# Altium PCB HSBNE-MOTOR.PcbDoc (part 1 of 2)
Units mm, origin at the board's own origin, x right, y up, seen from the top; angles counter-clockwise.
Board outline 150.03 x 100.03 mm, 2 copper layers (Top Layer, Bottom Layer); 140 components, 154 nets, 645 pads, 732 vias.
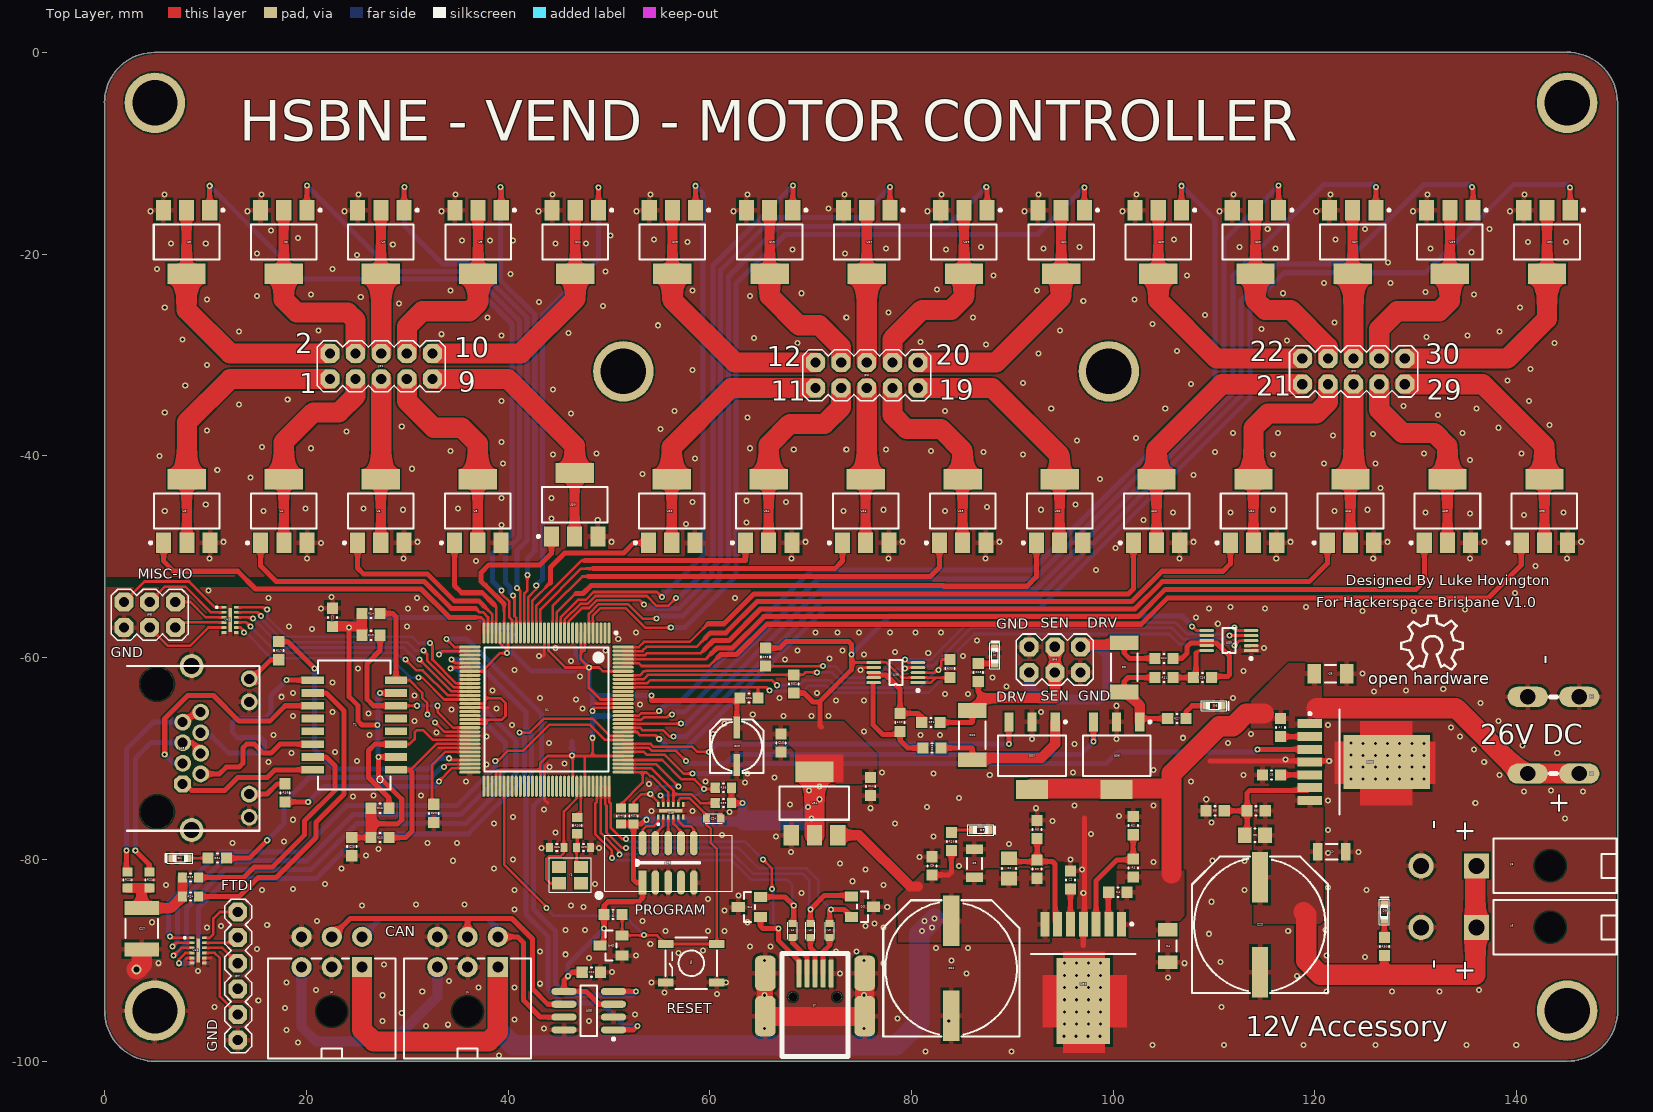
[diagram p0: Top Layer view]
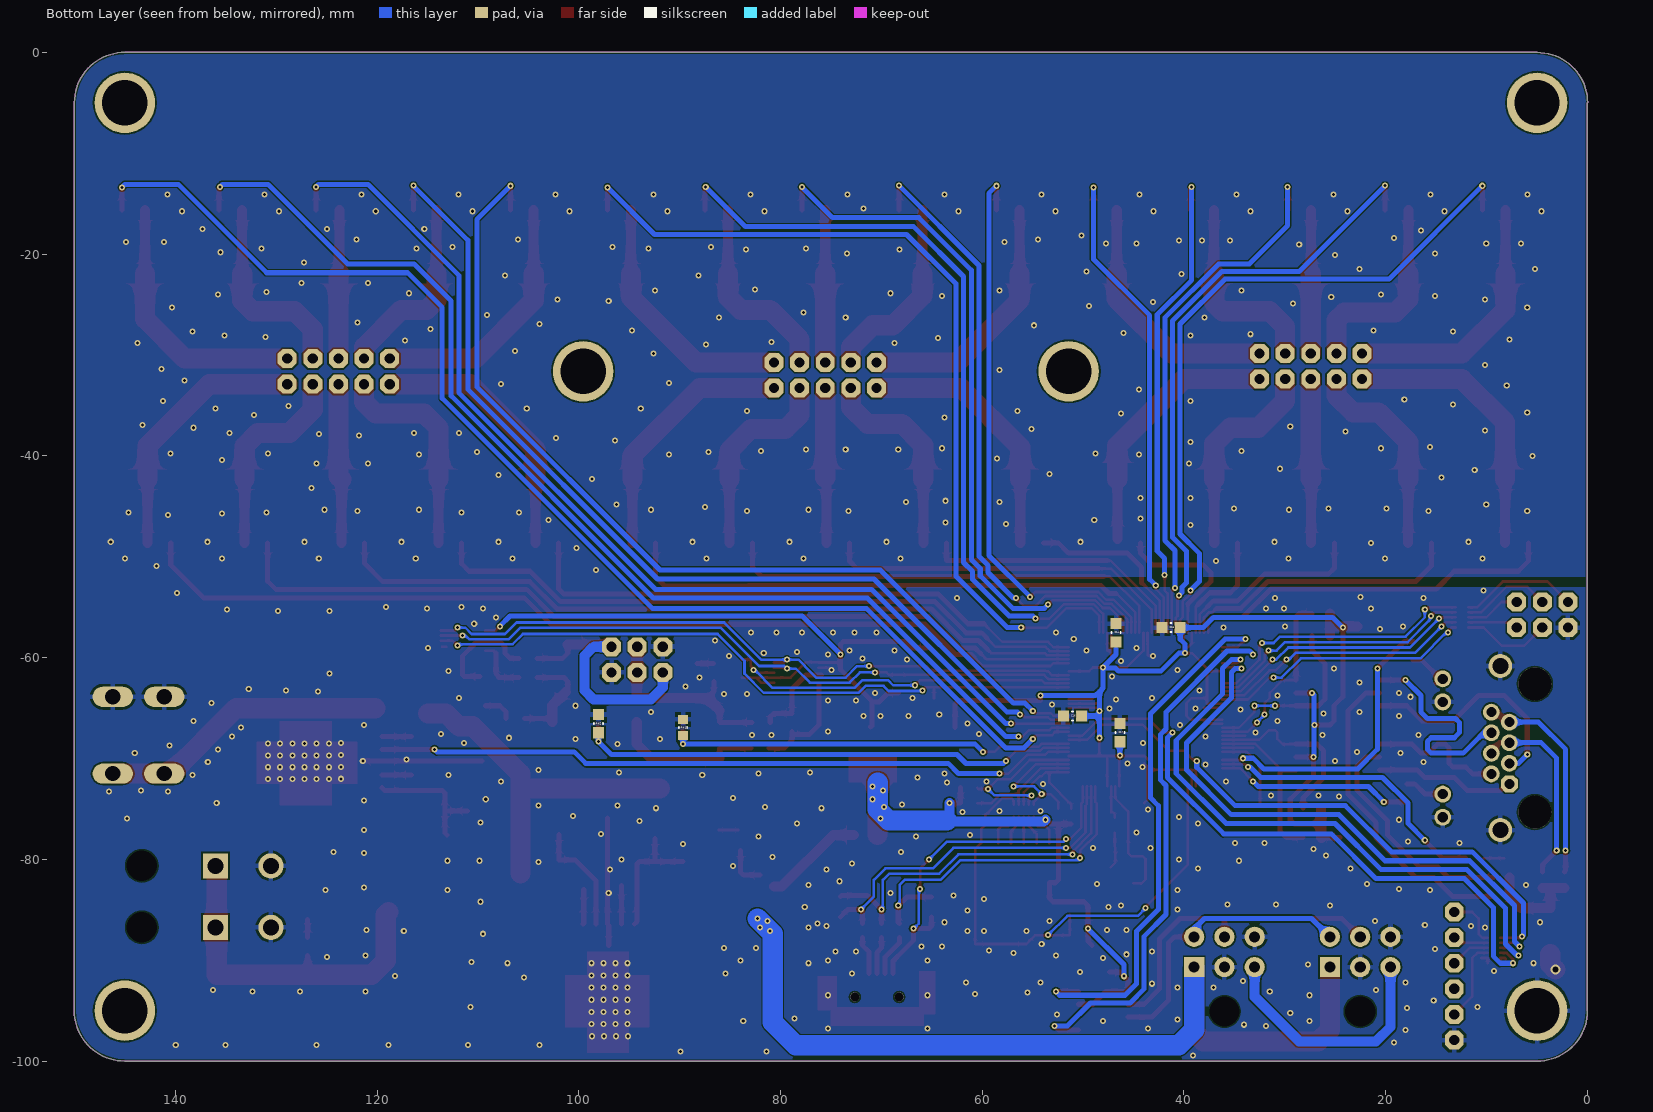
[diagram p1: Bottom Layer view, seen from below]

## Layer stack, top to bottom
Top Solder: solder mask 0.0102, Solder Resist, Dk 3.5
Top Layer: signal copper 0.0356
Dielectric 1: dielectric 0.32, FR-4, Dk 4.8
Bottom Layer: signal copper 0.0356
Bottom Solder: solder mask 0.0102, Solder Resist, Dk 3.5

## Board outline
5.004,-100.013 cw(c5.004,-95.013) 0.004,-95.013 0,-95 0,-5 -0.013,-5.004 cw(c4.987,-5.004) 4.987,-0.004 5,0 145,0 144.996,0.013 cw(c144.996,-4.987) 149.996,-4.987 150,-5 150,-95 150.013,-94.996 cw(c145.013,-94.996) 145.013,-99.996 145,-100

## Design rules (kind name [scope] priority, off if disabled: settings)
Clearance Micro [InComponent('U1') vs InNetClass('All Nets')] p1: gap=0.15 except(0.1: Track-Track Track-SMDPad Track-THPad SMDPad-SMDPad SMDPad-THPad)
Clearance [All] p2: gap=0.15
DiffPairsRouting [All] p1: maxlimit=0.254 minlimit=0.254 mostfreqgap=0.254 toplayer_minwidth=0.254 toplayer_maxwidth=0.5 toplayer_prefwidth=0.381 bottomlayer_minwidth=0.254 bottomlayer_maxwidth=0.5 bottomlayer_prefwidth=0.381 maxuncoupledlength=12.7
HoleSize [All] p1: absolutevalues=TRUE maxlimit=4.5 minlimit=0.025 maxpercent=80.000 minpercent=20.000
MinimumSolderMaskSliver [All] p1: minsoldermaskwidth=0.2
PlaneClearance [All] p1: clearance=2
PlaneConnect [All] p1: planeconnectstyle=Relief reliefexpansion=0.508 reliefentries=4 reliefconductorwidth=0.5 reliefairgap=0.254
PolygonConnect via [All vs isvia] p1: connectstyle=Direct reliefconductorwidth=0.254 reliefentries=4 polygonreliefangle="90 Angle" airgapwidth=0.254
PolygonConnect [All] p2: connectstyle=Relief reliefconductorwidth=0.5 reliefentries=4 polygonreliefangle="90 Angle" airgapwidth=0.254
RoutingVias [All] p1: holewidth=0.5 width=1 viastyle="Through Hole" minholewidth=0.3 minwidth=0.6 maxholewidth=0.711 maxwidth=1.27
SilkToSolderMaskClearance [IsPad] p1: minsilkscreentomaskgap=0.127 clearancetoexposedcopper=TRUE
SolderMaskExpansion [All] p1: expansion=0.102
Width [All] p1: maxlimit=2 minlimit=0.254 preferedwidth=0.254
24 further rules are at their usual default settings.

## Classes and differential pairs
component class Sense: C18 C19 D6 D7 JP4 R9 R10 R11 R12 R26 R27 R28 R31 R32 R33 R35 R36 R41 R42 U36 U37 U38 U39
component class IO: C12 D3 D4 J1 J2 J7 JP6 JP7 JP8 L1 L2 L3 R37 R38 R39 R40 U35 U40 U41 U42
component class Crystal: C20 C21 C24 C25 C26 C27 D1 JP5 R13 R14 R15 R16 R17 R18 R19 R20 R21 R22 R23 R24 R25 R34 S1 T1 U43 Y1
component class Micro: U1
component class MotorDrive: JP1 JP2 JP3 U2 U3 U4 U5 U6 U7 U8 U9 U10 U11 U12 U13 U14 U15 U16 U17 U18 U19 U20 U21 U22 U23 U24 U25 U26 U27 U28 U29 U30 U31
component class Power: C1 C2 C3 C4 C5 C6 C7 C8 C9 C10 C11 C13 C14 C15 C16 C17 C22 C23 D8 D9 J3 J4 J5 J6 R1 R2 R3 R4 R5 R6 R7 R8 R29 R30 U32 U33 U34
differential pair USB: +USB_P -USB_N
differential pair TX: +TX_P -TX_N
differential pair EP_TX: +EP_TX_P -EP_TX_N
differential pair EP_RX: +EP_RX_P -EP_RX_N
differential pair RX: +RX_P -RX_N

## Components (designator, comment, footprint, x,y, rotation, side; value= is the part's Value field where it differs from the comment)
C1 "CAP 22nF 25V" CAPC0805(2012)100_M 89.662,-80.899 r270 top
C2 "CAP 4.7nF 50V" CAPC0603(1608)100_M 95.758,-82.042 r270 top
C3 "CAP 47uF 25V" CAPC1206(3216)100_L 86.233,-80.391 r90 top
C4 "CAP 10uF 50V" CAPC1206(3216)190_M 105.41,-88.595 r270 top
C5 "CAP 22nF 25V" CAPC0805(2012)100_M 114.046,-77.597 r0 top
C6 "CAP 4.7nF 50V" CAPC0603(1608)100_M 115.697,-71.628 r0 top
C7 "CAP 47uF 25V" CAPC1206(3216)100_L 121.666,-79.248 r0 top
C8 "CAP 10uF 50V" CAPC1206(3216)190_M 121.539,-61.595 r0 top
C9 "CAP 1uF 25V" CAPC0603(1608)100_M 82.042,-80.645 r270 top
C10 "CAP 1uF 25V" CAPC0603(1608)100_M 67.056,-68.453 r90 top
C11 "CAP 1uF 25V" CAPC0603(1608)100_M 75.946,-72.771 r90 top
C12 "CAP 100nF 50V" CAPC0603(1608)100_M 48.26,-91.186 r180 top
C13 "100uF" PANASONIC_C 62.484,-68.834 r90 top
C14 "CAP 100nF 50V" CAPC0603(1608)100_M 46.736,-57.531 r270 bottom
C15 "CAP 100nF 50V" CAPC0603(1608)100_M 41.275,-57.023 r180 bottom
C16 "CAP 100nF 50V" CAPC0603(1608)100_M 51.054,-65.786 r180 bottom
C17 "CAP 100nF 50V" CAPC0603(1608)100_M 46.355,-67.437 r270 bottom
C18 "CAP 1uF 25V" CAPC0603(1608)100_M 108.839,-61.976 r180 top
C19 "CAP 1uF 25V" CAPC0603(1608)100_M 78.867,-66.421 r270 top
C20 "CAP 100nF 50V" CAPC0603(1608)100_M 24.511,-78.74 r90 top
C21 "CAP 100nF 50V" CAPC0603(1608)100_M 22.606,-56.007 r270 top
C22 "1000uF" PANASONIC_H13 83.947,-90.805 r90 top
C23 "1000uF" PANASONIC_H13 114.554,-86.487 r90 top
C24 "DNP" 0603 61.087,-75.946 r180 top
C25 "CAP 12pF 16V" CAPC0603(1608)100_L 47.498,-78.816 r180 top
C26 "CAP 12pF 16V" CAPC0603(1608)100_L 44.831,-78.816 r0 top
C27 "CAP 1nF 2KV 1812(4532)" CAPC1812(4532)230_N 3.683,-86.868 r270 top
D1 "LED" LED-0603 7.493,-79.883 r180 top
D3 "GSOT12C" "SOT-23 - ESD" 74.041,-83.693 r270 top
D4 "GSOT12C" "SOT-23 - ESD" 65.024,-85.725 r90 top
D6 "LED" LED-0603 109.982,-64.77 r0 top
D7 "LED" LED-0603 88.265,-59.817 r90 top
D8 "LED" LED-0603 86.868,-77.089 r0 top
D9 "LED" LED-0603 126.873,-85.217 r90 top
J1 "M43045H-6" M43045H-6 38.989,-90.678 r0 top
J2 "M43045H-6" M43045H-6 25.527,-90.678 r0 top
J3 "SPADE" SPADE-6.35-RA 141.097,-71.501 r0 top
J4 "SPADE" SPADE-6.35-RA 141.097,-63.881 r0 top
J5 "AUX" M5569-2 136.017,-86.741 r90 top
J6 "AUX" M5569-2 136.017,-80.645 r90 top
J7 "67503-1020" MOLX-67503-1020_V 68.834,-91.313 r90 top
JP1 "Header 5x2 2.54mm" 2X5 27.432,-31.115 r0 top
JP2 "Header 5x2 2.54mm" 2X5 75.565,-32.004 r0 top
JP3 "Header 5x2 2.54mm" 2X5 123.825,-31.623 r0 top
JP4 "Header 3x2 2.54mm" 2X3 94.234,-60.198 r0 top
JP5 "RJHSE-5384" RJHSE-5484 5.207,-68.961 r270 top
JP6 "Header 5x2 1.27mm" SOP10 53.34,-82.296 r90 top
JP7 "FTDI Header" 1X6 14.478,-89.027 r270 top
JP8 "Header 3x2 2.54mm" 2X3 4.445,-55.753 r180 top
L1 "MPZ1608S102A" 0603 68.199,-86.36 r270 top
L2 "MPZ1608S102A" 0603 69.977,-86.36 r270 top
L3 "MPZ1608S102A" 0603 71.882,-86.36 r270 top
R1 "34K 1%" RESC0603(1608)_M 101.981,-80.848 r270 top
R2 "2K43 5%" RESC0603(1608)_M 101.981,-76.657 r270 top
R3 "34K 1%" RESC0603(1608)_M 92.456,-80.975 r270 top
R4 "249K 1%" RESC0603(1608)_M 100.457,-83.261 r180 top
R5 "2K43 5%" RESC0603(1608)_M 92.456,-77.038 r270 top
R6 "34K 1%" RESC0603(1608)_M 114.173,-75.184 r0 top
R7 "249K 1%" RESC0603(1608)_M 116.586,-66.929 r270 top
R8 "2K43 5%" RESC0603(1608)_M 110.109,-75.184 r0 top
R9 "0.1R 1%" RESC2010(5025)_M 101.092,-60.96 r90 top
R10 "0.1R 1%" RESC2010(5025)_M 86.028,-67.691 r90 top
R11 "10R 5%" RESC0603(1608)_M 105.029,-61.976 r0 top
R12 "10R 5%" RESC0603(1608)_M 105.029,-60.071 r0 top
R13 "49.9R 1%" RESC0603(1608)_M 27.305,-77.851 r180 top
R14 "49.9R 1%" RESC0603(1608)_M 26.416,-55.626 r180 top
R15 "49.9R 1%" RESC0603(1608)_M 26.416,-57.785 r180 top
R16 "49.9R 1%" RESC0603(1608)_M 27.305,-74.93 r180 top
R17 "220R 5%" RESC0603(1608)_M 17.272,-59.309 r90 top
R18 "220R 5%" RESC0603(1608)_M 17.907,-73.406 r270 top
R19 "2K43 5%" RESC0603(1608)_M 50.419,-85.471 r180 top
R20 "2K 5%" RESC0603(1608)_N 46.863,-76.657 r270 top
R21 "75R 1%" RESC0603(1608)_N 4.445,-82.042 r270 top
R22 "75R 1%" RESC0603(1608)_N 2.286,-82.042 r270 top
R23 "75R 1%" RESC0603(1608)_N 8.509,-81.788 r180 top
R24 "75R 1%" RESC0603(1608)_N 8.509,-83.693 r180 top
R25 "4K87 1%" RESC0603(1608)_M 32.639,-75.438 r90 top
R26 "10R 5%" RESC0603(1608)_M 82.042,-68.961 r180 top
R27 "1K5 5%" RESC0603(1608)_M 106.299,-66.04 r180 top
R28 "1K5 5%" RESC0603(1608)_M 86.614,-61.468 r270 top
R29 "560R 5%" RESC0603(1608)_M 83.947,-78.232 r270 top
R30 "560R 5%" RESC0603(1608)_M 126.873,-88.646 r270 top
R31 "10R 5%" RESC0603(1608)_M 81.915,-66.421 r180 top
R32 "2K43 5%" RESC0603(1608)_M 68.326,-62.611 r270 top
R33 "2K43 5%" RESC0603(1608)_M 65.532,-59.944 r90 top
R34 "220R 5%" RESC0603(1608)_M 11.176,-79.883 r0 top
R35 "2K43 5%" RESC0603(1608)_M 83.82,-61.087 r270 top
R36 "2K43 5%" RESC0603(1608)_M 63.881,-64.008 r180 top
R37 "10K 5%" RESC0603(1608)_N 52.451,-75.692 r270 top
R38 "10K 5%" RESC0603(1608)_N 61.341,-72.898 r0 top
R39 "10K 5%" RESC0603(1608)_N 61.341,-74.422 r180 top
R40 "10K 5%" RESC0603(1608)_N 51.181,-75.692 r90 top
R41 "10K 5%" RESC0603(1608)_N 89.662,-66.929 r270 bottom
R42 "10K 5%" RESC0603(1608)_M 98.044,-66.548 r270 bottom
S1 "EVQ-Q2B03W" TACTILE_SWITCH_SMD 58.166,-90.297 r180 top
T1 "H2019FNLT" HXXXX 24.765,-66.675 r90 top
U1 "TM4C1294NCPDTI3R" TI-PDT128_M 43.815,-65.151 r270 top
U2 "NCV8402ASTT1G" ONSC-SOT-223-4-318E-04_V 8.161,-45.466 r90 top
U3 "NCV8402ASTT1G" ONSC-SOT-223-4-318E-04_V 8.128,-18.796 r270 top
U4 "NCV8402ASTT1G" ONSC-SOT-223-4-318E-04_V 17.774,-45.466 r90 top
U5 "NCV8402ASTT1G" ONSC-SOT-223-4-318E-04_V 17.762,-18.796 r270 top
U6 "NCV8402ASTT1G" ONSC-SOT-223-4-318E-04_V 27.388,-45.466 r90 top
U7 "NCV8402ASTT1G" ONSC-SOT-223-4-318E-04_V 27.396,-18.796 r270 top
U8 "NCV8402ASTT1G" ONSC-SOT-223-4-318E-04_V 37.001,-45.466 r90 top
U9 "NCV8402ASTT1G" ONSC-SOT-223-4-318E-04_V 37.03,-18.796 r270 top
U10 "NCV8402ASTT1G" ONSC-SOT-223-4-318E-04_V 46.609,-44.831 r90 top
U11 "NCV8402ASTT1G" ONSC-SOT-223-4-318E-04_V 46.663,-18.796 r270 top
U12 "NCV8402ASTT1G" ONSC-SOT-223-4-318E-04_V 56.228,-45.466 r90 top
U13 "NCV8402ASTT1G" ONSC-SOT-223-4-318E-04_V 56.297,-18.796 r270 top
U14 "NCV8402ASTT1G" ONSC-SOT-223-4-318E-04_V 65.841,-45.466 r90 top
U15 "NCV8402ASTT1G" ONSC-SOT-223-4-318E-04_V 65.931,-18.796 r270 top
U16 "NCV8402ASTT1G" ONSC-SOT-223-4-318E-04_V 75.454,-45.466 r90 top
U17 "NCV8402ASTT1G" ONSC-SOT-223-4-318E-04_V 75.565,-18.796 r270 top
U18 "NCV8402ASTT1G" ONSC-SOT-223-4-318E-04_V 85.068,-45.466 r90 top
U19 "NCV8402ASTT1G" ONSC-SOT-223-4-318E-04_V 85.199,-18.796 r270 top
U20 "NCV8402ASTT1G" ONSC-SOT-223-4-318E-04_V 94.681,-45.466 r90 top
U21 "NCV8402ASTT1G" ONSC-SOT-223-4-318E-04_V 94.833,-18.796 r270 top
U22 "NCV8402ASTT1G" ONSC-SOT-223-4-318E-04_V 104.295,-45.466 r90 top
U23 "NCV8402ASTT1G" ONSC-SOT-223-4-318E-04_V 104.467,-18.796 r270 top
U24 "NCV8402ASTT1G" ONSC-SOT-223-4-318E-04_V 113.908,-45.466 r90 top
U25 "NCV8402ASTT1G" ONSC-SOT-223-4-318E-04_V 114.1,-18.796 r270 top
U26 "NCV8402ASTT1G" ONSC-SOT-223-4-318E-04_V 123.521,-45.466 r90 top
U27 "NCV8402ASTT1G" ONSC-SOT-223-4-318E-04_V 123.734,-18.796 r270 top
U28 "NCV8402ASTT1G" ONSC-SOT-223-4-318E-04_V 133.135,-45.466 r90 top
U29 "NCV8402ASTT1G" ONSC-SOT-223-4-318E-04_V 133.368,-18.796 r270 top
U30 "NCV8402ASTT1G" ONSC-SOT-223-4-318E-04_V 142.748,-45.466 r90 top
U31 "NCV8402ASTT1G" ONSC-SOT-223-4-318E-04_V 143.002,-18.796 r270 top
U32 "LMZ14203HTZ/NOPB" TZA07A_V 97.028,-91.77 r270 top
U33 "LMZ14203HTZ/NOPB" TZA07A_V 124.841,-70.358 r0 top
U34 "3V3LinReg" SOT-223 68.072,-77.597 r0 top
U35 "SN65HVD234D" D8_M 48.006,-94.996 r180 top
U36 "ITS4200S-ME-O" INF-SOT223_M 100.33,-69.723 r270 top
U37 "ITS4200S-ME-O" INF-SOT223_M 91.948,-69.723 r270 top
U38 "ina226" SP10 80.645,-62.484 r180 top
U39 "ina226" SP10 113.665,-59.309 r180 top
U40 "NUF6401MNT1G" ONSC-DFN-12-506AD-01_V 56.134,-75.184 r90 top
U41 "NUF6401MNT1G" ONSC-DFN-12-506AD-01_V 9.271,-89.027 r0 top
U42 "NUF6401MNT1G" ONSC-DFN-12-506AD-01_V 12.446,-56.261 r0 top
U43 "APX803" "SOT-23 - ESD" 51.308,-89.535 r90 top
Y1 "25MHz" "CRYSTAL 3.2X2.5" 48.26,-79.832 r180 top

## Footprints (in the part's own frame and the unit in brackets; to place one, negate y for a bottom-side part, rotate by r counter-clockwise, add the part's x,y. Pads: shape width x height; smd on the part's side, far side on the other; paste and mask are expansions set on the pad)
1X6 [mil]
  oct 74x74 hole 40: 1(-150,-50) 2(-50,-50) 3(50,-50) 4(150,-50) 5(250,-50) 6(350,-50)
  silkscreen extent -200,-101 400,4, body extent -200,-100 400,0, height 298
2X3 [mil]
  oct 74x74 hole 40: 1(-101.18,-50) 2(-101.18,50) 3(-1.18,-50) 4(-1.18,50) 5(98.82,-50) 6(98.82,50)
  silkscreen extent -151,-100 149,100, body extent -150,-100 150,100, height 330
2X5 [mil]
  oct 74x74 hole 40: 1(-200,-50) 2(-200,50) 3(-100,-50) 4(-100,50) 5(0,-50) 6(0,50) 7(100,-50) 8(100,50) 9(200,-50) 10(200,50)
  silkscreen extent -250,-100 250,100, body extent -242,-95 242,95, height 397
0603 [mm]
  rect 0.7x0.8 smd paste+0 mask+0.1: 1(0,0) 2(1.4,0)
  silkscreen extent -0.15,-0.45 1.55,0.45, body extent -0.15,-0.45 1.55,0.45, height 0.53
CAPC0603(1608)100_L [mm] "Chip Capacitor, Body 1.6x0.8mm, Height 1.0mm, IPC High Density"
  rect 0.7x0.9 smd: 1(-0.7,0) 2(0.7,0)
  silkscreen extent -0.05,-0.35 0.05,0.35, body extent -0.87,-0.47 0.88,0.48, height 1
CAPC0603(1608)100_M [mm] "Chip Capacitor, Body 1.6x0.8mm, Height 1.0mm, IPC Low Density"
  rect 1.1x1.1 smd: 1(-0.9,0) 2(0.9,0)
  silkscreen extent -0.05,-0.45 0.05,0.45, body extent -0.87,-0.47 0.88,0.48, height 1
CAPC0805(2012)100_M [mm] "Chip Capacitor, Body 2.0x1.2mm, Height 1.0mm, IPC Low Density"
  rect 1.35x1.55 smd: 1(-1,0) 2(1,0)
  silkscreen extent -0.05,-0.67 0.05,0.67, body extent -1.1,-0.72 1.1,0.72, height 1
CAPC1206(3216)100_L [mm] "Chip Capacitor, Body 3.2x1.6mm, Height 1mm, IPC High Density"
  rect 0.95x1.7 smd: 1(-1.4,0) 2(1.4,0)
  silkscreen extent -0.55,-0.75 0.55,0.75, body extent -1.7,-0.9 1.7,0.9, height 1
CAPC1206(3216)190_M [mm] "Chip Capacitor, Body 3.2x1.6mm, Height 1.9mm, IPC Low Density"
  rect 1.35x1.9 smd: 1(-1.6,0) 2(1.6,0)
  silkscreen extent -0.55,-0.85 0.55,0.85, body extent -1.7,-0.9 1.7,0.9, height 1.9
CAPC1812(4532)230_N [mm] "Chip Capacitor, Body 4.5x3.2mm, Height 2.3mm, IPC Medium Density"
  rect 1.4x3.4 smd: 1(-2.05,0) 2(2.05,0)
  silkscreen extent -0.95,-1.6 0.95,1.6, body extent -2.4,-1.7 2.4,1.7, height 2.3
"CRYSTAL 3.2X2.5" [mm]
  rect 1.4x1.2 smd: 1(1.016,0.94) 2(3.216,0.94) 3(3.216,2.54) 4(1.016,2.54)
  silkscreen extent 0,0 4.19,3.43, body extent 0.77,0.78 3.29,2.78, height 0.56
D8_M [mm] "SOIC, 8-Leads, Body 4.9x3.9mm, Pitch 1.27mm, IPC Low Density"
  oval 2.5x0.7 smd: 1(-2.45,1.905) 2(-2.45,0.635) 3(-2.45,-0.635) 4(-2.45,-1.905) 5(2.45,-1.905) 6(2.45,-0.635) 7(2.45,0.635) 8(2.45,1.905)
  silkscreen extent -2.58,-2.5 0.8,2.93, body extent -2,-2.5 2,2.5, height 1.75
HXXXX [mm]
  rect 0.76x2.2 smd: 1(-4.445,-4.128) 2(-3.175,-4.128) 3(-1.905,-4.128) 4(-0.635,-4.128) 5(0.635,-4.128) 6(1.905,-4.128) 7(3.175,-4.128) 8(4.445,-4.128) 9(4.445,4.127) 10(3.175,4.127) 11(1.905,4.127) 12(0.635,4.127) 13(-0.635,4.127) 14(-1.905,4.127) 15(-3.175,4.127) 16(-4.445,4.127)
  silkscreen extent -6.4,-3.6 6.4,3.6, body extent -6.38,-4.28 6.38,4.13, height 6
INF-SOT223_M [mm] "SOT223, 4-Leads, Body 6.5x3.5mm, Pitch 2.3mm, IPC Low Density"
  rect 1.9x0.9 smd: 1(-3.35,2.3) 2(-3.35,0) 3(-3.35,-2.3)
  rect 1.9x3.2 smd: 4(3.35,0)
  silkscreen extent -3.47,-3.35 2,3.43, body extent -1.85,-3.35 1.85,3.35, height 1.7
LED-0603 [mil]
  rect 30x30 smd: 1(-30,0) 2(30,0)
  Top Overlay keep-out lines w2: 50,20 50,-20 -50,-20 -50,20 50,20
  silkscreen extent -50,-20 56,20, body extent -33,-14 32,14, height 27
M5569-2 [mm]
  rect 2.5x2.5 hole 1.6: 1(0,0)
  round 2.5 hole 1.6: 2(0,5.5)
  round 0 hole 3 unplated: A(0,-7.3)
  silkscreen extent -2.7,-13.9 2.7,-1.7, body extent -2.72,-13.91 3.08,6.03, height 11.4
M43045H-6 [mm]
  rect 2x2 hole 1.1: 1(0,0)
  round 2 hole 1.1: 2(-3,0) 3(-6,0) 4(0,3) 5(-3,3) 6(-6,3)
  round 0 hole 3 unplated: 7(-3,-4.4)
  silkscreen extent -9.3,-9.05 3.3,0.85, body extent -9.57,-8.95 3.58,3.25, height 8.83
MOLX-67503-1020_V [mm] "Mini USB Connector, SMT, Righer Angle"
  rrect50% 2.8x0.5 smd: 1(0,0) 2(0,-0.8) 3(0,-1.6) 4(0,-2.4) 5(0,-3.2)
  rrect50% 3.5x2.05 smd: 6(0.025,3.325) 8(0.025,-6.525)
  rrect50% 4x2.05 smd: 7(-4.225,3.325) 9(-4.225,-6.525)
  round 0.9 hole 0.9 unplated: X(-2.325,-3.8) Y(-2.325,0.6)
  silkscreen extent -8.25,-4.85 2,1.65, body extent -8.22,-6.56 0.78,3.34, height 3.95
ONSC-DFN-12-506AD-01_V [mm] "SON, 12-Leads, Body 3x1.35mm, Pitch 0.5mm, Thermal Pad 2.352x0.351mm"
  rect 0.479x0.265 smd mask+0.05: 1(-0.614,1.25) 2(-0.614,0.75) 3(-0.614,0.25) 4(-0.614,-0.25) 5(-0.614,-0.75) 6(-0.614,-1.25) 7(0.614,-1.25) 8(0.614,-0.75) 9(0.614,-0.25) 10(0.614,0.25) 11(0.614,0.75) 12(0.614,1.25)
  rect 0.351x2.352 smd mask+0.05: 13(0,0)
  silkscreen extent -1.38,1.2 -1.28,1.3, body extent -0.67,-1.5 0.67,1.5, height 1
ONSC-SOT-223-4-318E-04_V [mm] "SOT223, 4-Leads, Body 6.5x3.5mm, Pitch 2.3mm"
  rect 2x1.5 smd: 1(-3.15,2.3) 2(-3.15,0) 3(-3.15,-2.3)
  rect 2x3.8 smd: 4(3.15,0)
  silkscreen extent -3.27,-3.25 1.75,3.72, body extent -1.75,-3.25 1.75,3.25, height 1.75
PANASONIC_C [mm]
  rect 2.2x0.65 smd: +(1.9,-0.2) -(-1.8,-0.2)
  silkscreen extent -2.6,-2.85 2.7,2.45, body extent -2.63,-2.88 2.75,2.5, height 5.4
PANASONIC_H13 [mm]
  rect 5x1.6 smd: +(4.7,0) -(-4.7,0)
  silkscreen extent -6.75,-6.75 6.75,6.75, body extent -6.75,-6.75 6.75,6.75, height 13.5
RESC0603(1608)_M [mm] "Chip Resistor, Body 1.6x0.8mm, IPC Low Density"
  rect 1.1x1.1 smd: 1(-0.9,0) 2(0.9,0)
  silkscreen extent -0.05,-0.45 0.05,0.45, body extent -0.85,-0.47 0.85,0.47, height 0.6
RESC0603(1608)_N [mm] "Chip Resistor, Body 1.6x0.8mm, IPC Medium Density"
  rect 0.9x1 smd: 1(-0.8,0) 2(0.8,0)
  silkscreen extent -0.05,-0.4 0.05,0.4, body extent -0.85,-0.47 0.85,0.47, height 0.6
RESC2010(5025)_M [mm] "Chip Resistor, Body 5.0x2.5mm, IPC Low Density"
  rect 1.45x2.8 smd: 1(-2.45,0) 2(2.45,0)
  silkscreen extent -1.35,-1.3 1.35,1.3, body extent -2.6,-1.35 2.6,1.35, height 0.71
RJHSE-5484 [mm]
  oct 1.676x1.676 hole 1: 1(3.555,2.54)
  round 1.676 hole 1: 2(2.565,4.32) 3(1.515,2.54) 4(0.525,4.32) 5(-0.525,2.54) 6(-1.515,4.32) 7(-2.565,2.54) 8(-3.555,4.32) 9(-6.86,9.14) 10(-4.57,9.14) 11(4.57,9.14) 12(6.86,9.14)
  round 2.355 hole 1.57: GND1(-8.13,3.43) GND2(8.13,3.43)
  round 3.25 hole 3.25 unplated: ""(-6.35,0) ""(6.35,0)
  silkscreen extent -8.13,-3 8.2,10.16, body extent -8.35,-5.96 8.36,10.29, height 14.75
SOP10 [mm]
  rect 2.4x0.76 smd: 1(0,0)
  oval 2.4x0.76 smd: 2(3.9,0) 3(0,-1.27) 4(3.9,-1.27) 5(0,-2.54) 6(3.9,-2.54) 7(0,-3.81) 8(3.9,-3.81) 9(0,-5.08) 10(3.9,-5.08)
  silkscreen extent -0.89,-8.89 4.7,3.76, body extent -1.14,-7.24 4.83,2.29, height 5.59
"SOT-23 - ESD" [mm]
  rect 1x1.3 smd: 1(0,0) 2(2,0) 3(1,2.2)
  silkscreen extent -0.5,0.55 2.5,1.65, body extent -0.64,0.51 2.54,1.78, height 1
SOT-223 [mil]
  rect 60x80 smd: 1(0,0) 2(91,0) 3(182,0)
  rect 150x80 smd: 4(91,248)
  silkscreen extent -45,60 225,190, body extent -38,-7 218,267, height 63
SP10 [mm]
  rect 1.45x0.3 smd: 1(0,0)
  oval 1.45x0.3 smd: 2(0,-0.5) 3(0,-1) 4(0,-1.5) 5(0,-2) 6(4.4,-2) 7(4.4,-1.5) 8(4.4,-1) 9(4.4,-0.5) 10(4.4,0)
  silkscreen extent -0.13,-2.25 2.84,0.89, body extent -0.32,-2.57 4.64,0.53, height 1.24
SPADE-6.35-RA [mm]
  oval 4x2 hole 1.5: 1(0,0) 2(5.1,0)
  silkscreen extent 2.25,0 2.85,0, body extent -1.37,-0.42 14.83,0.38, height 9
TACTILE_SWITCH_SMD [mil]
  rect 60x30 smd: 1(-100,75) 2(100,75) 3(-100,-75) 4(100,-75)
  silkscreen extent -100,-100 100,100, body extent -103,-108 103,103, height 122
TI-PDT128_M [mm] "Thin QFP, 128-Leads, Body 14x14mm, Pitch 0.4mm, IPC Low Density"
  oval 2.1x0.3 smd: 1(-7.6,6.2) 2(-7.6,5.8) 3(-7.6,5.4) 4(-7.6,5) 5(-7.6,4.6) 6(-7.6,4.2) 7(-7.6,3.8) 8(-7.6,3.4) 9(-7.6,3) 10(-7.6,2.6) 11(-7.6,2.2) 12(-7.6,1.8) 13(-7.6,1.4) 14(-7.6,1) 15(-7.6,0.6) 16(-7.6,0.2) 17(-7.6,-0.2) 18(-7.6,-0.6) 19(-7.6,-1) 20(-7.6,-1.4) 21(-7.6,-1.8) 22(-7.6,-2.2) 23(-7.6,-2.6) 24(-7.6,-3) 25(-7.6,-3.4) 26(-7.6,-3.8) 27(-7.6,-4.2) 28(-7.6,-4.6) 29(-7.6,-5) 30(-7.6,-5.4) 31(-7.6,-5.8) 32(-7.6,-6.2) 65(7.6,-6.2) 66(7.6,-5.8) 67(7.6,-5.4) 68(7.6,-5) 69(7.6,-4.6) 70(7.6,-4.2) 71(7.6,-3.8) 72(7.6,-3.4) 73(7.6,-3) 74(7.6,-2.6) 75(7.6,-2.2) 76(7.6,-1.8) 77(7.6,-1.4) 78(7.6,-1) 79(7.6,-0.6) 80(7.6,-0.2) 81(7.6,0.2) 82(7.6,0.6) 83(7.6,1) 84(7.6,1.4) 85(7.6,1.8) 86(7.6,2.2) 87(7.6,2.6) 88(7.6,3) 89(7.6,3.4) 90(7.6,3.8) 91(7.6,4.2) 92(7.6,4.6) 93(7.6,5) 94(7.6,5.4) 95(7.6,5.8) 96(7.6,6.2)
  oval 0.3x2.1 smd: 33(-6.2,-7.6) 34(-5.8,-7.6) 35(-5.4,-7.6) 36(-5,-7.6) 37(-4.6,-7.6) 38(-4.2,-7.6) 39(-3.8,-7.6) 40(-3.4,-7.6) 41(-3,-7.6) 42(-2.6,-7.6) 43(-2.2,-7.6) 44(-1.8,-7.6) 45(-1.4,-7.6) 46(-1,-7.6) 47(-0.6,-7.6) 48(-0.2,-7.6) 49(0.2,-7.6) 50(0.6,-7.6) 51(1,-7.6) 52(1.4,-7.6) 53(1.8,-7.6) 54(2.2,-7.6) 55(2.6,-7.6) 56(3,-7.6) 57(3.4,-7.6) 58(3.8,-7.6) 59(4.2,-7.6) 60(4.6,-7.6) 61(5,-7.6) 62(5.4,-7.6) 63(5.8,-7.6) 64(6.2,-7.6) 97(6.2,7.6) 98(5.8,7.6) 99(5.4,7.6) 100(5,7.6) 101(4.6,7.6) 102(4.2,7.6) 103(3.8,7.6) 104(3.4,7.6) 105(3,7.6) 106(2.6,7.6) 107(2.2,7.6) 108(1.8,7.6) 109(1.4,7.6) 110(1,7.6) 111(0.6,7.6) 112(0.2,7.6) 113(-0.2,7.6) 114(-0.6,7.6) 115(-1,7.6) 116(-1.4,7.6) 117(-1.8,7.6) 118(-2.2,7.6) 119(-2.6,7.6) 120(-3,7.6) 121(-3.4,7.6) 122(-3.8,7.6) 123(-4.2,7.6) 124(-4.6,7.6) 125(-5,7.6) 126(-5.4,7.6) 127(-5.8,7.6) 128(-6.2,7.6)
  silkscreen extent -7.72,-6.15 6.15,7.02, body extent -7,-7 7,7, height 1.2
TZA07A_V [mm] "D2-PAK, 8-Leads, Body 9.9x10.2mm, Pitch 1.27mm, Lead Span 13.8mm, NSC Recommended"
  rect 2.41x0.89 smd: 1(-5.35,3.81) 2(-5.35,2.54) 3(-5.35,1.27) 4(-5.35,0) 5(-5.35,-1.27) 6(-5.35,-2.54) 7(-5.35,-3.81)
  rect 8.54x5.35 smd: 8(2.28,0)
  silkscreen extent -5.47,-5.2 -2.39,5.2, body extent -2.3,-5.2 7.8,5.2, height 4.67

## Part data
C1 C5: library part CMP-1036-04051-1, "CAP 22nF 25V ±5% 0805 (2012 Metric) Thickness 1mm SMD"
C2 C6: library part CMP-1035-00333-1, "CAP 4.7nF 50V ±20% 0603 (1608 Metric) Thickness 1mm SMD"
C3 C7: library part CMP-1037-00376-1, "CAP 47uF 25V ±0.25pF 1206 (3216 Metric) Thickness 1mm SMD"
C4 C8: library part CMP-1037-04982-1, "CAP 10uF 50V ±10% 1206 (3216 Metric) Thickness 1.9mm SMD"
C9 C10 C11 C18 C19: library part CMP-1035-00037-1, "CAP 1uF 25V ±0.25pF 0603 (1608 Metric) Thickness 1mm SMD"
C12 C14 C15 C16 C17 C20 C21: library part CMP-1035-00010-1, "CAP 100nF 50V ±0.1pF 0603 (1608 Metric) Thickness 1mm SMD"
C13: library part Cap_Polarized_100uF, "Polarized Capacitor (Surface Mount)"
C22 C23: library part Cap_Polarized_1000uF, "Polarized Capacitor (Surface Mount)"
C24: library part Cap_100pF, "100nF"
C25 C26: library part CMP-1035-00602-1, "CAP 12pF 16V ±0.25pF 0603 (1608 Metric) Thickness 1mm SMD"
C27: library part CMP-1040-00330-1, "CAP 1nF 2KV ±10% 1812 (4532 Metric) Thickness 2.3mm SMD"
D1 D6 D7 D8 D9: "Typical RED, GREEN, YELLOW, AMBER GaAs LED"
D3 D4: library part 2749, "DIO GSOT12C ESD 2LINE 12V SOT23"
J1 J2: library part CON6
J3 J4 J5 J6: library part CON2, "6.35mm right-angle 90° male spade terminal PCB mount"
J7: library part CMP-0411-00002-1, "USB, MINI, SMD, RA KME04-USBMU03A01"
JP1 JP2 JP3: library part "Header 5x2", "Header, 8-Pin"
JP4 JP8: library part "Header 3x2", "Header, 6-Pin"
JP5: library part "Ethernet Socket", "Ethernet Socket RJ45 With Leds"
JP6: library part "Header 5x2", "Program"
JP7: library part "Header 6", "Header, 6-Pin"
L1 L2 L3: library part 2982, "IND FERRITE CHIP BEAD 1000 OHM @ 100MHz 800mA 0603"
R1 R3 R6: library part CMP-1012-00682-1, "34K 0.1W 1% 0603 (1608 Metric)  SMD"
R2 R5 R8 R19 R32 R33 R35 R36: library part CMP-1012-00083-1, "2K43 0.1W 5% 0603 (1608 Metric)  SMD"
R4 R7: library part CMP-1012-00779-1, "249K 0.1W 1% 0603 (1608 Metric)  SMD"
R9 R10: library part CMP-1017-00001-1, "0.1R 2010 1%"
R11 R12 R26 R31: library part CMP-1012-00026-1, "10R 0.1W 5% 0603 (1608 Metric)  SMD"
R13 R14 R15 R16: library part CMP-1012-00042-1, "49.9R 0.1W 1% 0603 (1608 Metric)  SMD"
R17 R18 R34: library part CMP-1012-00058-1, "220R 0.1W 5% 0603 (1608 Metric)  SMD"
R20: library part CMP-1012-00081-1, "2K 0.1W 5% 0603 (1608 Metric)  SMD"
R21 R22 R23 R24: library part CMP-1012-00047-1, "75R 0.1W 1% 0603 (1608 Metric)  SMD"
R25: library part CMP-1012-00090-1, "4K87 0.1W 1% 0603 (1608 Metric)  SMD"
R27 R28: library part CMP-1012-00078-1, "1K5 0.1W 5% 0603 (1608 Metric)  SMD"
R29 R30: library part CMP-1012-00068-1, "560R 0.1W 5% 0603 (1608 Metric)  SMD"
R37 R38 R39 R40 R41 R42: library part CMP-1012-00098-1, "10K 0.1W 5% 0603 (1608 Metric)  SMD"
S1: library part SW-PB, "Switch"
T1: library part Magnetics, "Power over Ethernet Magnetic Module"
U1: library part CMP-0945-00007-1, "Tiva C Series Microcontroller, 1024 KB Flash, 256 KB SRAM, 12 Bit, 20 Channels, -40 to 85 degC, 128-Pin TQFP (PDT), Green (RoHS & no Sb/Br), Tape and Reel"
U2 U3 U4 U5 U6 U7 U8 U9 U10 U11 U12 U13 U14 U15 U16 U17 U18 U19 U20 U21 U22 U23 U24 U25 U26 U27 U28 U29 U30 U31: library part CMP-1069-00019-1, "Self-Protected Low Side Driver with Temperature and Current Limit, 4-Pin SOT-223, Pb-Free, Tape and Reel"
U32 U33: library part CMP-0069-02044-1, "3A SIMPLE SWITCHER® Power Module with 42V Maximum Input for High Voltage Output, 7-pin TO-PMOD, Pb-Free, 250 Reel"
U34: library part AZ1117EH, "Reg 1A 3V3 OUT SIP VERT"
U35: library part CMP-0315-00083-1, "3.3V CAN Transceiver with Sleep Mode, 6 mA, -40 to 125 degC, 8-pin SOIC (D), Green (RoHS & no Sb/Br)"
U36 U37: library part CMP-1095-00143-1, "Smart High-Side NMOS-Power Switch, 11 to 45 V Operating, -40 to 125 degC, SOT223, Reel, Green"
U40 U41 U42: library part CMP-1066-00005-1, "6-Channel EMI Filter with Integrated ESD Protection, -40 to 105 degC, 12-Pin DFN, Pb-Free, Tape and Reel"
U43: "IC MPU RESET CIRC 3.08V SOT23R-3"
Y1: library part Crystal_25MHz, "Surface Mount Quartz Crystal"

## Free pads (board coordinates)
  round 6 hole 4.5 unplated: 0(145,-5) 1(5,-5) 3(145,-95) 4(99.568,-31.623) 5(51.435,-31.623)
  round 6 hole 4.5: 2(5,-95)

## Via types
v1: diameter 0.6, hole 0.3, Top Layer to Bottom Layer, tented both sides, 675 vias
v2: diameter 0.6, hole 0.3, Top Layer to Bottom Layer, tented bottom, 56 vias
v3: diameter 1, hole 0.6, Top Layer to Bottom Layer, tented both sides, 1 vias

## Nets (pads, with @x,y where several pads share a name; then routed paths per layer and width w, separated by ;. In a path a pad name is that pad's centre, name@x,y a point inside that pad or via, vN(x,y) a via of type N, cw(c..) or ccw(c..) an arc to the next point about the centre after c; other vN are vias at no path point)
3V3: C10.2 C11.2 C12.2 C13.+ C14.2 C15.2 C16.2 C17.2 C20.2 C21.2 JP6.1 R13.2 R14.2 R15.2 R16.2 R19.2 R32.2 R33.2 R35.2 R36.2 R37.2 R38.2 R39.1 R40.1 T1.2 T1.7 U1.7 U1.8 U1.16 U1.26 U1.28 U1.39 U1.47 U1.51 U1.52 U1.68 U1.69 U1.79 U1.87 U1.90 U1.101 U1.113 U1.115 U1.122 U34.2 U34.4 U35.3 U35.5 U38.1 U38.2 U38.6 U39.6 U43.3 | length 319.7
  Top Layer w0.254: U1.52@36.215,-66.551 37.846,-66.551 37.846,-66.151 ; U1.51@36.215,-66.151 37.846,-66.151 ; U1.47@36.215,-64.551 37.719,-64.551 37.719,-61.351 ; U1.39@36.215,-61.351 37.719,-61.351 ; 37.719,-64.008 39.243,-64.008 39.751,-64.516 39.751,-65.786 39.386,-66.151 37.846,-66.151 ; U1.68@38.815,-72.751 38.815,-71.294 38.961,-71.148 39.215,-71.148 U1.69@39.215,-72.751 ; U1.28@39.215,-57.551 39.215,-58.584 39.878,-59.247 v1@39.878,-59.309 ; 39.243,-71.12 43.215,-71.12 ; v1@39.634,-59.553 v1@39.878,-59.309 ; U1.26@40.015,-57.551 40.015,-59.172 v1@39.878,-59.309 ; U1.79@43.215,-72.751 43.215,-71.12 ; U1.16@44.015,-57.551 44.015,-59.309 45.685,-60.979 v1(48.025,-60.979) ; U1.87@46.415,-72.751 46.415,-69.811 v1@46.355,-69.751 ; U1.8@47.215,-57.551 47.215,-59.309 ; U1.90@47.615,-72.751 47.615,-69.761 ; U1.7@47.615,-57.551 47.615,-59.309 47.215,-59.309 ; v1(48.387,-67.945) 48.387,-69.751 ; v1(48.387,-65.278) 48.451,-65.214 48.451,-64.951 U1.113@51.415,-64.951 ; U1.101@51.415,-69.751 48.387,-69.751 ; U1.115@51.415,-64.151 49.165,-64.151 48.025,-63.011 v1(48.025,-60.979) ; U1.122@51.415,-61.351 49.403,-61.351 49.031,-60.979 v1(48.025,-60.979) ; 74.041,-60.484 U38.6@76.245,-60.484 76.277,-60.452 77.47,-60.452 79.002,-61.984 U38.2@80.645,-61.984 82.415,-61.984 ; U38.1@80.645,-62.484 81.921,-62.484 82.418,-61.987 R35.2@83.82,-61.987 ; v1(107.823,-56.896) 108.236,-57.309 U39.6@109.265,-57.309 ; 37.719,-61.351 37.719,-61.059 39.215,-59.563 v1(39.878,-59.563) v1@39.878,-59.309 ; 43.215,-71.12 43.215,-70.45 43.914,-69.751 v1@46.355,-69.751 ; v1@46.355,-69.751 48.387,-69.751 ; 47.215,-59.309 47.215,-60.169 v1(48.025,-60.979)
  Top Layer w0.5: v1(24.257,-57.023) 24.257,-63.881 25.146,-64.77 25.146,-66.294 25.527,-66.675 v1(27.051,-66.675) ; C20.2@24.511,-77.84 26.278,-77.84 R13.2@26.34,-77.902 ; 26.405,-76.477 29.06,-76.477 29.464,-76.073 29.464,-74.041 27.178,-71.755 v1(27.178,-69.85) T1.2@28.893,-69.85 ; v1(27.305,-63.5) T1.7@28.893,-63.5 ; C12.2@47.36,-91.186 46.355,-91.186 v1(45.955,-91.586) 45.556,-91.985 U35.5@45.556,-93.091 47.752,-93.091 49.022,-94.361 U35.3@50.456,-94.361 ; U43.3@49.124,-88.519 49.519,-88.124 v1(49.519,-86.868) R19.2@49.519,-85.471 49.519,-84.593 49.911,-84.201 52.959,-84.201 53.34,-83.82 JP6.1@53.34,-82.296 52.705,-82.296 52.451,-82.042 R37.2@52.451,-76.492 ; R40.1@51.181,-76.492 R37.2@52.451,-76.492 ; v1(53.721,-76.073) 53.611,-76.073 53.192,-76.492 R37.2@52.451,-76.492 ; v1(54.229,-63.754) 54.229,-64.262 62.357,-64.262 62.684,-64.589 C13.+@62.684,-66.934 ; R38.2@62.141,-72.898 R39.1@62.141,-74.422 v1(63.246,-74.422) ; R33.2@65.532,-59.044 66.94,-59.044 67.564,-58.42 73.787,-58.42 74.041,-58.674 v1(74.041,-59.69) 74.041,-60.484 74.041,-61.214 70.951,-64.304 70.951,-66.76 71.069,-66.878 ; R32.2@68.326,-63.511 69.353,-63.511 70.231,-64.389 70.951,-64.389
  Top Layer w1: C21.2@22.809,-56.896 25.273,-56.896 25.516,-56.653 ; R15.2@25.516,-57.785 25.516,-56.653 ; R14.2@25.516,-55.626 25.516,-56.653 ; R13.2@26.34,-77.902 26.405,-77.837 26.405,-76.477 R16.2@26.405,-74.93
  Top Layer w2: U34.2@70.383,-77.597 U34.4@70.383,-71.298
  Bottom Layer w0.5: v1(24.257,-57.023) 25.273,-56.007 37.084,-56.007 38.1,-57.023 C15.2@40.375,-57.023 40.375,-58.177 39.878,-58.674 v1(39.878,-59.563) 40.513,-59.563 42.291,-61.341 46.488,-61.341 46.784,-61.045 47.959,-61.045 v1(48.025,-60.979) ; v1(27.178,-69.85) 27.112,-69.784 27.112,-66.736 v1(27.051,-66.675) 27.112,-66.614 27.112,-63.693 v1(27.305,-63.5) ; v1(45.955,-91.586) 45.955,-90.432 v1(49.519,-86.868) ; v1(46.355,-69.723) C17.2@46.355,-68.337 ; 46.736,-59.131 46.736,-59.69 v1(48.025,-60.979) ; v1(48.387,-67.945) v1(48.387,-65.278) 48.387,-63.373 ; 48.387,-65.786 C16.2@50.154,-65.786 ; v1@53.909,-76.261 53.975,-76.327 63.373,-76.327 ; v1(54.229,-63.754) 48.768,-63.754 48.387,-63.373 ; 63.373,-76.147 63.373,-76.02 ; v1(74.041,-59.69) 77.851,-55.88 106.807,-55.88 v1(107.823,-56.896) ; v1(48.025,-60.979) 48.025,-63.011 48.387,-63.373
  Bottom Layer w1: v1(53.721,-76.073) 53.909,-76.261 63.259,-76.261 63.373,-76.147 ; 63.246,-76.02 v1(63.246,-74.422)
  Bottom Layer w2: 63.5,-76.147 69.268,-76.147 70.358,-75.057 70.358,-72.39
  other v1: 70.104,-75.946 69.723,-74.803 70.866,-74.041 69.85,-73.152 70.866,-72.771
26V: C4.1 C8.1 J3.1 J3.2 R1.2 R4.1 R7.1 U32.1 U33.1 U36.4 U37.4 | length 64.1
  Top Layer w2: U37.4@91.948,-72.973 105.739,-72.973 ; 105.791,-81.407 105.791,-71.501 110.49,-66.802 111.887,-66.802 113.157,-65.532 114.935,-65.532 ; 120.142,-65.024 133.985,-65.024 140.462,-71.501 J3.1@141.097,-71.501 J3.2@146.197,-71.501
+SMOT: C19.2 R26.2 U38.10 | length 10.7
  Top Layer w0.254: 76.2,-62.738 U38.10@76.2,-62.529
  Top Layer w0.5: 76.2,-62.738 76.2,-66.675 77.165,-67.64 C19.2@78.867,-67.64 ; C19.2@78.867,-67.321 78.867,-68.199 79.629,-68.961 R26.2@81.142,-68.961
+SVDD: C18.2 R11.2 U39.10 | length 5.6
  Top Layer w0.254: 108.204,-59.563 108.458,-59.309 U39.10@109.265,-59.309
  Top Layer w0.5: R11.2@105.929,-61.976 C18.2@107.939,-61.976 ; C18.2@107.95,-61.849 108.204,-61.595 108.204,-59.563
-SMOT: C19.1 R31.2 U38.8 U38.9 | length 8.8
  Top Layer w0.5: 75.946,-61.722 77.47,-61.722 78.867,-63.119 78.867,-65.278 C19.1@79.11,-65.521 ; C19.1@78.867,-65.521 C19.1@79.11,-65.521 ; C19.1@79.121,-65.532 C19.1@79.11,-65.521 ; R31.2@81.015,-66.421 81.015,-65.902 80.634,-65.521 C19.1@79.11,-65.521
-SVDD: C18.1 R12.2 U39.8 U39.9 | length 10.8
  Top Layer w0.5: R12.2@105.929,-60.071 106.807,-60.071 107.315,-59.563 107.315,-58.928 107.696,-58.547 110.236,-58.547 111.506,-59.817 111.506,-61.722 111.379,-61.849 C18.1@109.804,-61.849
ACT-LED: R18.2 U1.63 | length 19.7
  Top Layer w0.254: v1(33.147,-72.263) 34.459,-70.951 U1.63@36.215,-70.951
  Top Layer w0.5: R18.2@17.907,-74.306 17.918,-74.295 v1(20.193,-74.295)
  Bottom Layer w0.5: v1(20.193,-74.295) 21.717,-72.771 32.639,-72.771 v1(33.147,-72.263)
AUX_12V: C5.2 C7.1 C23.+ J5.1 J6.1 R6.2 R30.2 U33.7 | length 33.7
  Top Layer w0.5: 126.873,-91.44 R30.2@126.873,-89.546
  Top Layer w2: 118.872,-85.217 119.126,-85.471 119.126,-90.06 120.506,-91.44 135.89,-91.44 135.89,-81.915
AUX_EN: U1.102 U33.3 | length 70.1
  Top Layer w0.254: U1.102@51.415,-69.351 53.476,-69.351 53.77,-69.645 55.548,-69.645 55.634,-69.731 ; 55.548,-69.649 56.384,-70.485 56.388,-70.485 57.404,-71.501 v1(58.293,-71.501)
  Top Layer w0.5: v1(114.3,-69.088) U33.3@119.491,-69.088
  Bottom Layer w0.5: v1(58.293,-71.501) 62.357,-71.501 63.373,-70.485 99.314,-70.485 100.457,-69.342 114.046,-69.342 v1(114.3,-69.088)
CAN0RX: U1.33 U35.4 | length 54
  Top Layer w0.254: v1(33.909,-58.166) 34.694,-58.951 U1.33@36.215,-58.951
  Top Layer w0.5: U35.4@50.456,-93.091 v1(52.705,-93.091)
  Bottom Layer w0.5: v1(33.909,-58.166) 35.941,-58.166 43.307,-65.532 43.307,-73.914 42.545,-74.676 42.545,-84.963 44.704,-87.122 44.704,-92.329 45.847,-93.472 52.324,-93.472 v1(52.705,-93.091)
CAN0TX: U1.34 U35.1 | length 56.2
  Top Layer w0.254: v1(33.147,-59.69) 33.463,-59.374 36.192,-59.374 U1.34@36.215,-59.351
  Top Layer w0.5: U35.1@50.456,-96.901 52.451,-96.901 v1(52.832,-96.52)
  Bottom Layer w0.5: v1(33.147,-59.69) 33.486,-59.351 35.729,-59.351 41.783,-65.405 41.783,-67.082 42.306,-67.605 42.306,-72.151 41.783,-72.674 41.783,-85.471 43.942,-87.63 43.942,-92.837 45.339,-94.234 49.276,-94.234 51.562,-96.52 v1(52.832,-96.52)
"CAN H": J1.4 J2.4 U35.7 | length 28.7
  Top Layer w0.5: J1.4@38.989,-87.678 40.942,-87.678 41.529,-88.265 41.529,-93.98 43.18,-95.631 U35.7@45.556,-95.631
  Bottom Layer w0.5: J2.4@25.527,-87.678 27.353,-85.852 37.973,-85.852 38.989,-86.868 J1.4@38.989,-87.678
"CAN L": J1.5 J2.5 U35.6 | length 32
  Top Layer w0.5: J2.5@22.527,-87.678 24.353,-85.852 40.386,-85.852 42.418,-87.884 42.418,-92.837 43.942,-94.361 U35.6@45.556,-94.361 ; J1.5@35.989,-87.678 35.989,-85.9
CAN-12V: C1.2 C3.1 C9.2 C22.+ J1.1 J2.1 R3.2 R29.2 U32.7 U34.3 | length 101.7
  Top Layer w0.5: C9.2@82.042,-81.545 83.682,-81.545 83.947,-81.28 R29.2@83.947,-79.132
  Top Layer w1: U34.3@72.695,-77.597 74.784,-77.597 79.864,-82.677 80.645,-82.677
  Top Layer w2: J2.1@25.527,-90.678 25.527,-96.901 26.67,-98.044 38.1,-98.044 38.989,-97.155 J1.1@38.989,-90.678
  Bottom Layer w2: J1.1@38.989,-90.678 38.989,-96.901 40.513,-98.425 78.486,-98.425 80.772,-96.139 80.772,-87.376 v1(82.296,-85.852)
  other v1: 81.026,-87.122 82.042,-86.741 81.28,-86.106
CAN_SHIELD: J1.3 J2.3 | length 24.8
  Bottom Layer w1: J2.3@19.527,-90.678 19.527,-96.616 20.955,-98.044 28.575,-98.044 32.989,-93.63 J1.3@32.989,-90.678
EN0LED2: R34.2 U1.62 | length 29.3
  Top Layer w0.254: v1@33.655,-70.739 v1(33.655,-70.823) 33.927,-70.551 U1.62@36.215,-70.551
  Top Layer w0.5: R34.2@12.076,-79.883 14.351,-79.883 v1(16.129,-78.105)
  Bottom Layer w0.5: v1(16.129,-78.105) 17.78,-76.454 17.78,-74.422 20.32,-71.882 32.391,-71.882 33.45,-70.823 v1(33.655,-70.823)
EP_LED_1: JP5.9 R17.1 | length 4
  Top Layer w0.5: JP5.9@14.994,-62.493 14.6,-62.099 16.49,-60.209 R17.1@17.272,-60.209
EP_LED_2: JP5.11 R18.1 | length 3.7
  Top Layer w0.5: JP5.11@14.6,-73.529 16.111,-73.529 17.134,-72.506 R18.1@17.907,-72.506
EP_RX_N: JP5.6 T1.9 | length 23.1
  Top Layer w0.5: v1(18.034,-62.23) T1.9@20.637,-62.23
  Bottom Layer w0.5: JP5.6@9.78,-67.444 10.295,-67.444 12.318,-69.467 15.494,-69.467 15.875,-69.086 15.875,-68.324 15.494,-67.943 13.207,-67.943 12.699,-67.435 12.699,-66.419 13.08,-66.038 15.875,-66.038 16.51,-65.403 16.51,-63.754 v1(18.034,-62.23)
EP_RX_P: JP5.3 T1.11 | length 23.3
  Top Layer w0.5: v1(5.968,-69.595) 5.968,-66.038 8.254,-63.752 10.794,-63.752 13.336,-66.294 16.383,-66.294 17.907,-64.77 T1.11@20.637,-64.77
  Bottom Layer w0.5: v1(5.968,-69.595) 6.847,-70.474 JP5.3@8,-70.474
EP_TX_N: JP5.2 T1.14 | length 13.7
  Top Layer w0.5: JP5.2@9.78,-71.524 11.404,-71.524 12.064,-70.864 13.334,-70.864 13.715,-70.483 13.715,-68.962 14.097,-68.58 14.859,-68.58 15.748,-69.469 16.51,-69.469 17.399,-68.58 T1.14@20.637,-68.58
EP_TX_P: JP5.1 T1.16 | length 13.7
  Top Layer w0.5: JP5.1@8,-72.514 8.636,-73.15 11.937,-73.15 13.207,-71.88 16.131,-71.88 16.891,-71.12 T1.16@20.637,-71.12
F_CTS: JP7.5 U41.9 | length 8.1
  Top Layer w0.254: U41.9@9.885,-89.277 10.918,-89.277 11.43,-89.789 11.43,-93.599 JP7.5@13.208,-95.377
F_R\S\T\: JP6.10 U40.5 | length 3.6
  Top Layer w0.254: U40.5@56.884,-75.798 56.884,-76.188 57.404,-76.708 58.088,-76.708 58.42,-77.04 JP6.10@58.42,-78.396
F_RTS: JP7.1 U41.12 | length 5.3
  Top Layer w0.254: U41.12@9.885,-87.777 10.394,-87.777 10.795,-87.376 10.795,-85.852 11.43,-85.217 JP7.1@13.208,-85.217
F_RX: JP7.3 U41.10 | length 4
  Top Layer w0.254: U41.10@9.885,-88.777 11.688,-88.777 JP7.3@13.208,-90.297
F_TCK: JP6.4 U40.2 | length 2.9
  Top Layer w0.254: JP6.4@54.61,-78.396 54.61,-77.47 55.384,-76.696 U40.2@55.384,-75.798
F_TDI: JP6.8 U40.4 | length 2.9
  Top Layer w0.254: U40.4@56.384,-75.798 56.384,-76.45 57.15,-77.216 JP6.8@57.15,-78.396
F_TDO: JP6.6 U40.3 | length 2.6
  Top Layer w0.254: JP6.6@55.88,-78.396 55.884,-78.392 U40.3@55.884,-75.798
F_TMS: JP6.2 U40.1 | length 3.7
  Top Layer w0.254: JP6.2@53.34,-78.396 53.34,-77.089 53.721,-76.708 54.483,-76.708 54.884,-76.307 U40.1@54.884,-75.798
F_TX: JP7.2 U41.11 | length 3.5
  Top Layer w0.254: U41.11@9.885,-88.277 12.688,-88.277 JP7.2@13.208,-87.757